# KiCad board Lime_RFE.kicad_pcb (continued)
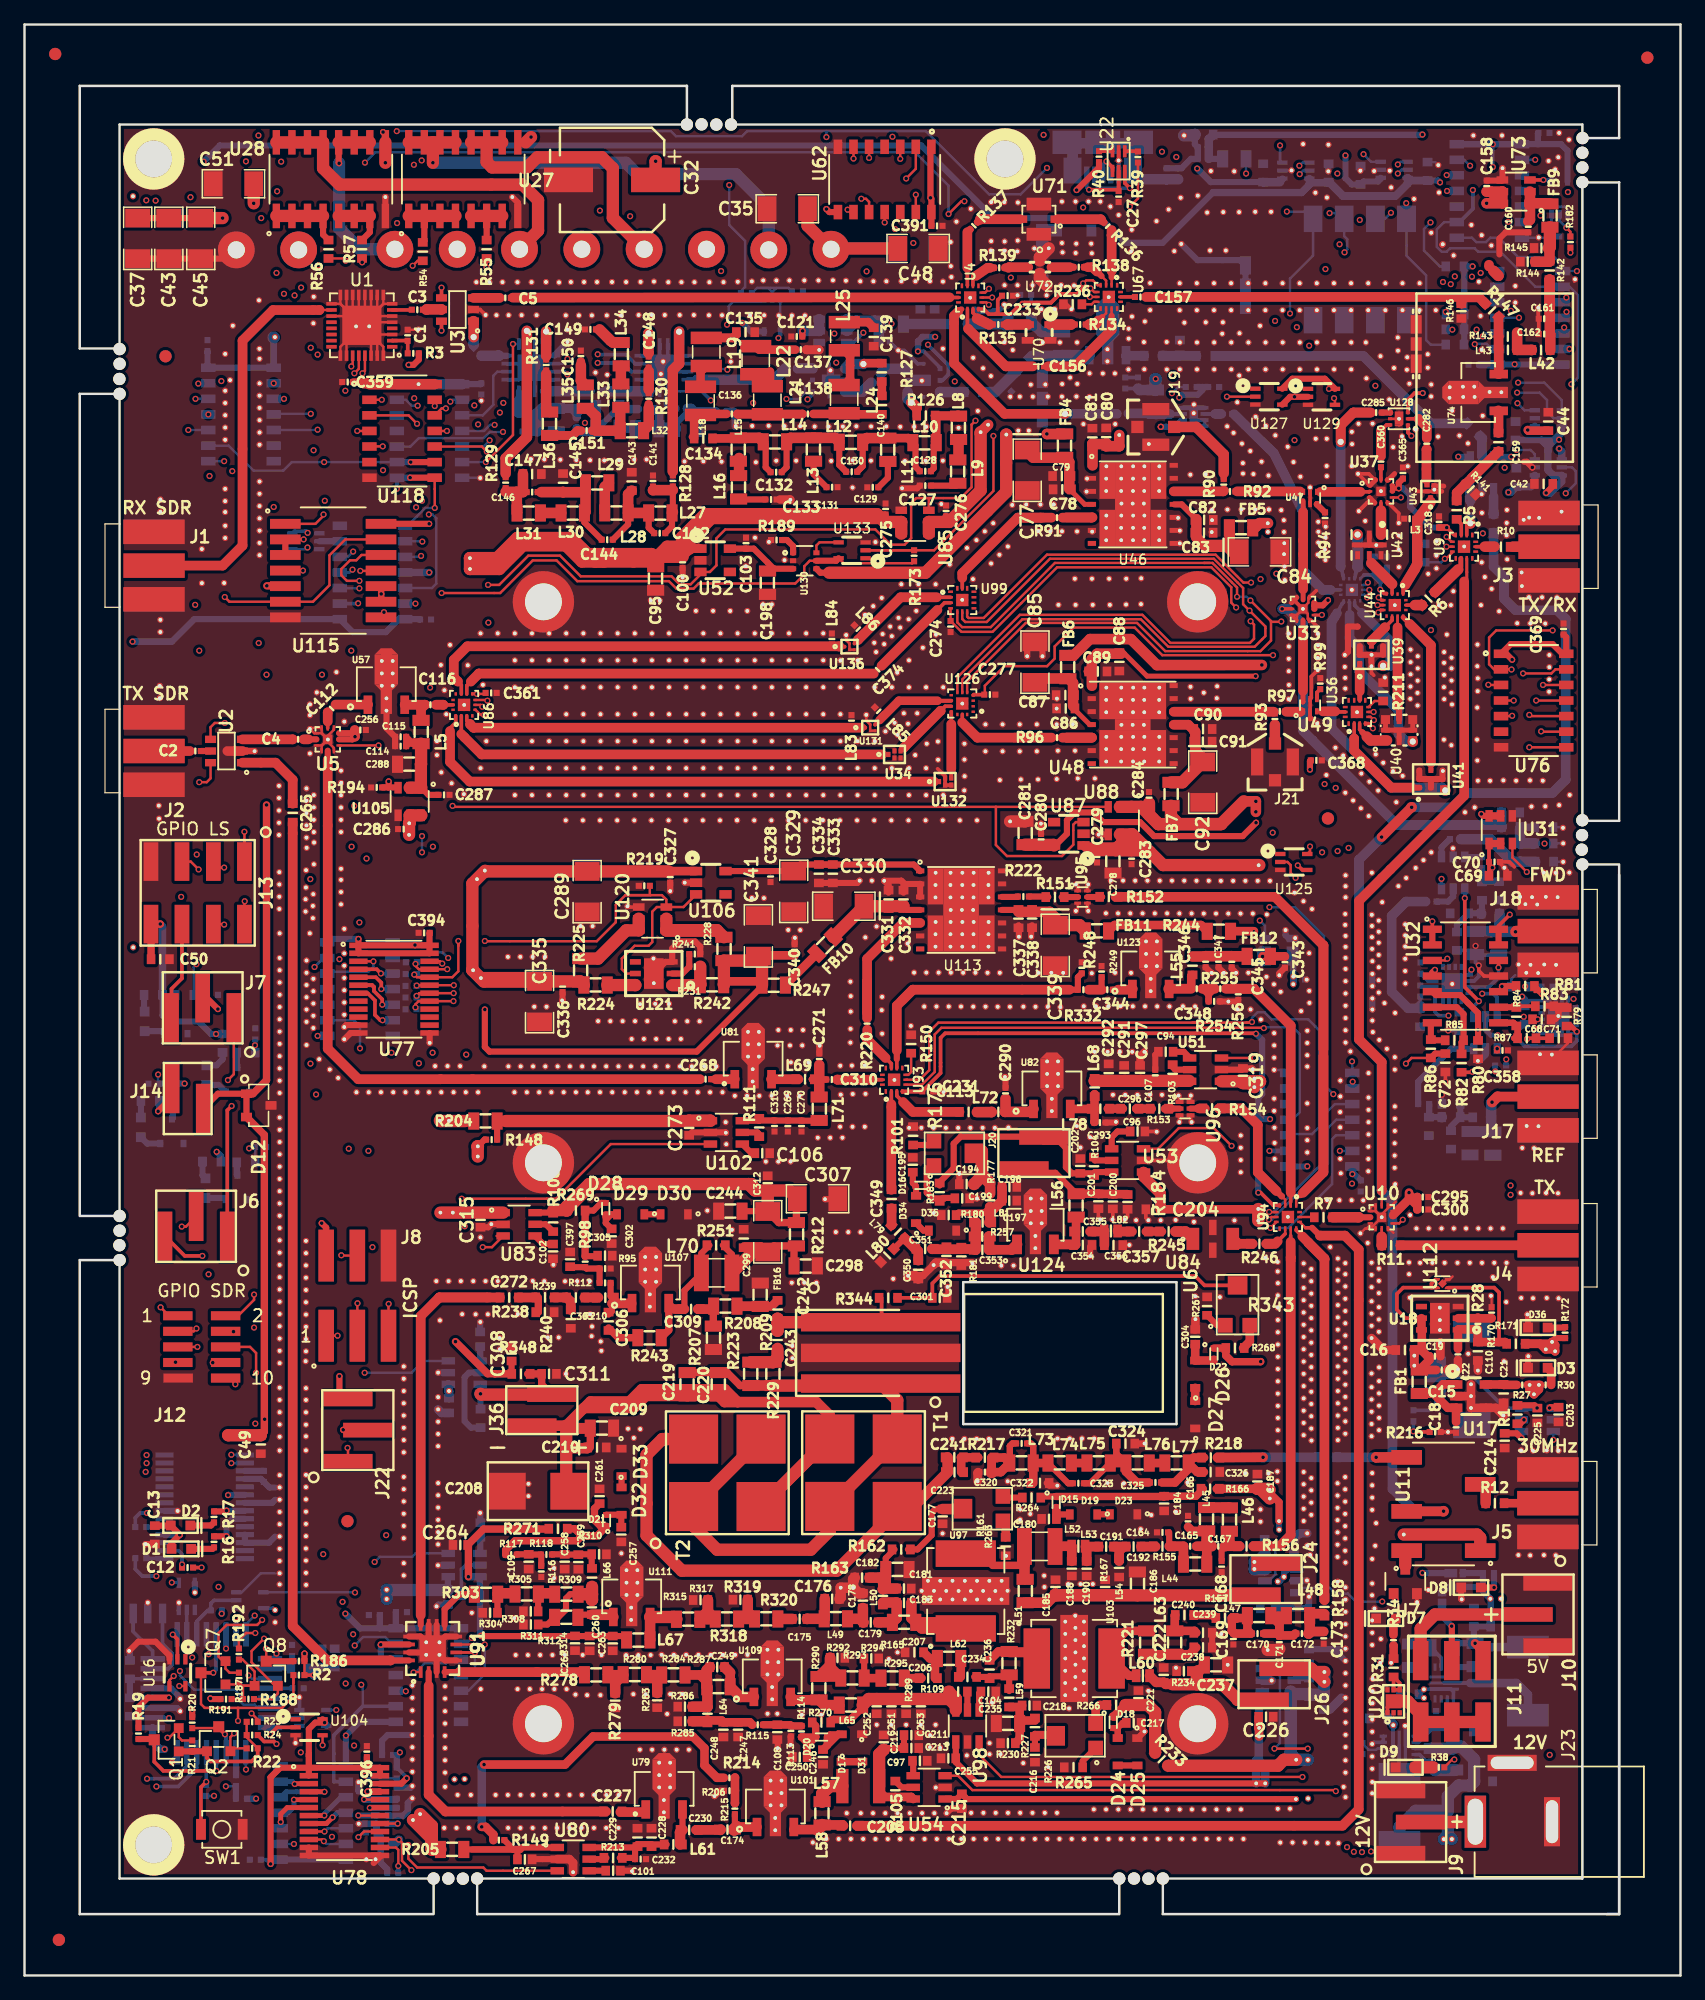
[diagram p0: board, top side]
## Routing (per net, layer and track width the routed paths; a pad name or vN(x,y) marks a point on that pad's centre or on a via; arc(x,y) is an arc through that point) (continued)
Net-(C250-Pad1): length 8.1
  T w0.6: R270.1 64.5,20.34 D20.1 ; D20.1 64.5,19.43 R114.2 ; D20.1 63.8,18.74 C250.1 ; R114.2 63.47,19.43 63.8,19.11 C250.1 ; R114.2 63.8,18.97 C250.1
Net-(C251-Pad2): length 24.9
  T w0.5: U98.6 75.02,22.53 C252.2
  T w0.6: 66.88,20.86 67.33,20.86 68.33,21.86 L65.1 ; 66.88,20.86 65.78,20.86 ; 66.88,20.86 65.96,20.86 R270.2
  T w0.86: C252.2 C251.2 R289.1 C253.1
  T w1: 75.92,22.53 75.67,22.53 75.92,22.53 ; 75.92,22.53 75.37,23.09 R109.2 ; 75.92,22.53 C252.2 68.83,22.53 L65.1 ; 75.92,22.53 U98.6
Net-(C257-Pad1): length 2.3
  T w0.5: D21.2 D32.2 48.65,37.53 C257.1
Net-(C258-Pad1): length 4.4
  T w0.5: R118.1 43.01,34.32 C258.1 44.06,34.3 C259.1 45.17,34.33 R310.2 46.24,33.2 L66.1
Net-(C260-Pad1): length 6.8
  T w0.1: U111.1 46.2,29.22 46.11,29.13
  T w0.5: U111.1 46.44,29.22 C260.1 45.33,29.4 R312.1
  T w0.86: C260.1 47.81,29.4 U111.1
Net-(C260-Pad2): length 8.2
  T w0.5: 45.78,31.07 R309.1 44.49,31.07 44.15,30.73 44.15,29.82 43.51,29.18 R312.2 42.63,28.6 R311.2
  T w1: L66.2 46.26,30.62 C260.2 ; 45.78,31.07 46.26,31.07 R309.1
Net-(C261-Pad1): length 13.6
  T w0.5: 39.21,34.28 R117.2
  T w0.6: C261.1 46.46,38.04 46.46,37.12 46.98,36.6 D21.1 46.67,35.82 45.43,35.82 ; 45.43,35.82 45.04,35.43 39.98,35.43 39.23,34.67 R117.2 ; 45.43,35.82 44.85,36.41 R271.1
Net-(C262-Pad2): length 31.4
  T w0.5: v1(37.21,27.69) 37.24,27.66 44.92,27.66 44.92,27.66 C262.2 C263.2 48.77,27.66 L67.1
  T w0.6: R271.2 42.71,36.38 41.92,36.38 ; 41.92,36.38 37.42,36.38 C264.1 36.19,35.03 v1(36.19,32.49) ; 41.92,36.38 39.62,36.38
  B w0.5: v1(37.21,27.69) 37.13,27.77 U100.6 37.12,32.48 R110.2
  B w0.6: v1(36.19,32.49) 36.19,32.5 U100.6
Net-(C265-Pad2): length 6.6
  T w0.79: U2.1 20.46,98.84 21.86,97.44 C265.2
Net-(C268-Pad2): length 1.9
  T w0.5: 56.36,73.04 56.36,73.05 C268.2
  T w0.79: U81.1 56.36,73.04
Net-(C269-Pad2): length 6.3
  T w0.5: L71.1 64.76,69.66 63.36,69.66 ; U102.6 59.89,69.66 59.89,69.66 59.92,69.68 C316.1 61.14,69.68 C269.2 C270.2
Net-(C271-Pad1): length 5.6
  T w0.5: 64.2,73.02 64.18,73.04 64.2,73.02 ; 64.2,73.02 C310.1 64.8,73.02 C271.1
  T w0.86: 64.82,71.64 64.79,71.68 64.79,74.2
Net-(C272-Pad1): length 2.6
  T w0.6: 41.88,54.06 41.89,54.06 41.89,55.26
  T w0.79: R239.1 41.68,55.25 C272.1
Net-(C282-Pad2): length 2.7
  T w0.3: U128.2 113.65,126.87
  T w0.79: 113.65,126.87 114.32,126.2 C282.2
Net-(C285-Pad1): length 0.7
  T w0.5: U128.4 111.32,127.38 C285.1
Net-(C290-Pad1): length 4.6
  T w0.5: C290.1 79.94,71.41 79.94,70.38
  T w0.86: U82.1 82.02,70.38 79.94,70.38 79.98,70.42 C290.1
Net-(C293-Pad1): length 4.3
  T w0.7: 87.23,70.64 87.23,71.81 87.24,71.82 ; 87.23,70.64 87.23,69.58 87.21,69.57 ; 87.23,70.64 87.21,70.62 U82.3
Net-(C294-Pad2): length 1.7
  B w0.79: U8.5 118.81,125.27
  B w0.86: 118.81,125.27 118.65,125.43
Net-(C296-Pad2): length 1.2
  T w0.7: 89.54,70.65 88.33,70.65 88.32,70.64
Net-(C298-Pad1): length 13
  T w0.5: 60.56,58.99 FB16.2 ; FB16.2 60.33,58.7 ; FB16.2 60.04,59.51 58.63,59.51 ; L70.1 57.67,58.77 56.93,59.51
  T w0.6: FB16.2 61.09,59.46 R212.1 62.73,59.26 C298.1
  T w1: FB16.2 59.37,58.96 L70.1
Net-(C301-Pad2): length 29.7
  T w0.3: 70.97,55.23 C301.2 74.01,56.4 74.61,57 95.44,57 96.2,56.24 R343.2
Net-(C302-Pad1): length 3.4
  T w0.5: 47.38,61.78 47.48,61.68 47.84,62.03 D29.2 48.28,62.02 D28.2 47.38,61.78 ; 47.38,61.78 47.38,61.32 C302.1
Net-(C303-Pad1): length 1.2
  T w0.6: 46.79,55.25 46.8,55.24
  T w0.79: 45.64,55.25 46.79,55.25
Net-(C303-Pad2): length 2.2
  T w0.79: R239.2 44.19,55.26 C303.2 44.53,54.91 R240.2
Net-(C304-Pad1): length 2.9
  T w0.7: D22.2 96.9,50.12 D26.2 C304.1
Net-(C305-Pad1): length 6.7
  T w0.5: C305.1 46.69,58.62 R98.2 ; R269.1 46.39,62.34 47.01,62.97 D28.1
  T w0.6: R98.2 45.7,58.63 R269.1
Net-(C306-Pad1): length 2.7
  T w0.6: 47.61,52.77 48.4,51.98 R243.1
Net-(C306-Pad2): length 6.2
  T w0.5: 47.89,55.24 47.78,55.35 R112.1 ; 47.89,55.24 48.33,54.8 U107.1 49.49,54.77 ; 47.89,55.24 47.89,54.14 47.61,53.86
  T w0.79: 47.89,54.77 49.49,54.77
Net-(C308-Pad1): length 88.5
  T w0.5: C308.1 39.71,49.05 R348.1 38.36,49.03
  T w0.6: R348.1 38.36,49.03 38.35,49.04 37.75,49.04 v1(35.13,51.66) ; D22.1 97.93,51.13 R268.2 97.93,50.53 ; 97.93,50.53 98.44,50.02 ; 97.93,50.53 98.44,50.02 ; 98.44,50.02 100.77,50.02 v1(100.78,50.03)
  SIG1 w0.6: v1(100.78,50.03) 100.77,50.02 98.44,50.02 96.4,52.07 96.4,56.37 95.6,57.17 75.11,57.17 72.97,55.02 54.12,55.02 52.22,53.12 49.55,53.12 47.62,55.05 45.17,55.05 43.08,52.97 38.16,52.97 36.85,51.66 v1(35.13,51.66)
Net-(C309-Pad2): length 9.8
  T w0.5: 53.01,54.31 U107.3 ; 54.67,56.7 53.8,55.82 53.8,54.31 ; 55.84,59.51 55.18,58.86 L70.2
  T w0.6: R243.2 52.52,52.59 U107.3
  T w0.79: 53.8,54.31 53.01,54.31
Net-(C311-Pad1): length 12.6
  T w0.5: J36.2 44.5,47.34
  T w0.6: J36.2 42.16,48.16 C311.1 41.02,49.03
  T w1: v1(37.17,47.4) 37.23,47.34 J36.2
  B w0.5: U56.6 37.15,47.42 v1(37.17,47.4) 37.18,47.4 R107.2
  B w1: v1(37.17,47.4) 37.15,47.42
Net-(C313-Pad2): length 2.4
  B w0.3: 119.75,120.16 119.76,120.17 U8.1
  B w0.79: 119.76,120.49 119.76,119.1
  B w0.86: 119.76,119.1 C313.2
Net-(C320-Pad1): length 11.8
  T w0.5: 78.84,42.21 78.84,42.21 ; 79.88,42.21 L73.2 ; L73.2 80.33,43.15 ; L73.2 80.33,43.15 ; 80.33,43.15 80.54,43.36 ; 80.33,43.15 80.54,43.36 ; 80.54,43.36 C321.2
  T w0.7: 79.88,42.21 L73.2 ; 79.88,42.21 L73.2 ; 79.88,42.21 78.84,42.21 ; L73.2 79.58,41.02 ; L73.2 79.58,41.02 ; 79.58,41.02 78.84,41.02 78.84,42.21 78.84,42.21 ; 78.84,42.21 78.84,41.02
  T w1: 78.84,41.02 78.84,41.02
Net-(C321-Pad1): length 9.5
  T w0.5: 85.09,40.11 L74.2 ; 85.09,40.11 85.37,40.11 ; 85.09,40.11 C323.2 ; 82.23,43.17 L73.1 82.23,43.17 ; 82.23,43.17 82.04,43.36 ; 82.23,43.17 82.04,43.36 ; 82.04,43.36 C321.1
  T w0.7: L74.2 L73.1 82.24,41.76 82.24,40.13
Net-(C323-Pad1): length 11.8
  T w0.5: 89.01,42.26 L75.1 ; 89.01,42.26 L75.1 ; 89.01,42.26 C324.1 89.01,42.54 L76.2 ; L75.1 86.87,40.11 ; 86.87,40.11 86.46,40.11 ; 86.87,40.11 C323.1
  T w0.7: 91.65,40.18 90.68,40.18 89.79,41.07 L76.2 L75.1
Net-(C325-Pad1): length 6.1
  T w0.7: L77.1 95.31,42.21 96.16,42.21 ; L77.1 95.6,41.03 96.15,41.03 ; L77.1 94.87,41.26 93.79,40.18 92.75,40.18
Net-(C330-Pad1): length 11.8
  T w0.5: 71.65,87.16 71.97,86.84 U113.4 ; 70.43,87.14 70.44,87.16 ; 65.94,84.64 C330.1
  T w1: 71.65,87.15 71.65,87.16 70.44,87.16 70.43,87.14 C330.1 65.94,84.64 FB10.2
Net-(C337-Pad1): length 10
  T w0.5: 81.03,86.68 80.87,86.84 U113.11 ; 84.04,86.22 84.03,86.21 83.56,86.68 82.14,86.68
  T w0.86: C339.1 84.03,86.24 83.58,86.68 82.14,86.68 82.13,86.68 81.03,86.68
  T w1: FB11.2 86,85.6 C339.1
Net-(C340-Pad1): length 112.2
  T w0.5: v1(37.53,78.72) 37.53,75.67 37.91,75.29 54.8,75.29 60.13,80.62 R247.1
  T w0.7: v2(100.23,85.11) 98.33,85.11 R244.1 ; 57.24,81.03 59.82,81.03 R247.1 60.2,80.79 ; 60.13,82.78 C341.1 59.9,83.14 C340.1 ; R242.2 57.02,80.77
  T w1: R242.2 57.02,80.77 R228.1 59.46,82.71 C341.1 60.13,82.78 R247.1
  SIG1 w0.5: v1(37.53,78.72) 37.53,79.61
  SIG1 w1: v1(37.53,78.72) 37.53,79.61 39.81,81.9 69.46,81.9 70.92,80.44 79.76,80.44 84.71,85.39 92.9,85.39 93.18,85.11 v2(100.23,85.11)
Net-(C343-Pad1): length 3.8
  T w0.7: C343.1 102.73,83.06 FB12.2 100.94,83.06 v1(100.93,83.05)
  B w0.7: v1(100.93,83.05) 100.86,83.12 100.86,83.53 100.86,82.58 100.93,82.65 v1(100.93,83.05)
Net-(C344-Pad1): length 1.7
  T w0.5: 89.15,80.34 89.15,80.31 89.12,80.34 C344.1
  T w0.79: 89.15,80.34 90.29,80.34 90.35,80.41
Net-(C344-Pad2): length 2.1
  T w0.5: C344.2 87.81,80.35 R249.1
  T w0.79: R332.1 C344.2
Net-(C345-Pad1): length 11.3
  T w0.3: 96.26,83.05 C346.2 98.41,83.07 98.42,83.06 FB12.1
  T w0.7: 96.26,83.05 C346.2 98.41,83.07 98.42,83.06 FB12.1
  T w0.86: FB12.1 99.66,83.06 C345.1 98.41,83.07 C347.2 C346.2 96.26,83.05 L55.1
Net-(C348-Pad1): length 4.9
  T w0.5: R255.2 96.53,79.92 R254.1 ; R254.1 96.53,79.9 C348.1 96.21,80.42 96.53,80.1 R254.1
  T w0.79: C348.1 R255.2
Net-(C348-Pad2): length 4.1
  T w0.3: C348.2 95.22,80.52 L55.2
  T w0.7: L55.2 95.12,81.44 C348.2
  T w0.79: 93.36,80.42 C348.2
  T w1: 93.35,80.41 93.36,80.42
Net-(C349-Pad1): length 1.4
  T w0.79: L79.2 70.69,61.16 C349.1
Net-(C350-Pad2): length 3.8
  T w0.5: L80.1 L79.1
  T w0.79: L79.1 72.6,59.22 C351.2 ; 72.86,59.03 C351.2 ; 72.86,59.03 C351.2 ; 72.86,59.03 C350.2
Net-(C351-Pad1): length 6.8
  T w0.5: 77.53,61.16 77.53,60.23
  T w0.79: 77.54,59.14 77.48,59.21 76.37,59.21 76.35,59.19 74,59.19 73.97,59.22
  T w0.86: 77.54,59.14 77.54,60.22 77.53,60.23 77.56,60.26 77.56,61.38
Net-(C353-Pad1): length 3.5
  T w0.79: 80.47,59.14 78.63,59.14
  T w0.86: 78.63,59.14 78.63,60.22 78.62,60.23 ; U124.1 80.47,59.14
Net-(C354-Pad1): length 4.2
  T w0.2: 85.73,61.8 L56.2
  T w0.5: 85.73,61.8 L56.2 ; 85.68,59.58 85.73,59.53
  T w0.7: L56.2 85.73,61.8 85.73,59.53 85.68,59.58
  T w0.79: U124.3 85.68,59.58
Net-(C355-Pad1): length 4.5
  T w0.7: 88.03,59.53 88.03,60.63 86.82,60.63
  T w0.79: C356.1 88.03,60.67 L82.2 87.98,60.63 C355.1
Net-(C357-Pad2): length 2.2
  T w0.7: 90.33,60.63 89.12,60.63
  T w0.79: L82.1 89.16,60.63 C357.2
Net-(C358-Pad2): length 0.1
  T w0.5: v1(120.05,75.53) 120.04,75.52 C358.2
Net-(C360-Pad1): length 3
  T w0.3: 110.58,125.92 111.04,126.37 U128.6
  T w0.79: C360.1 110.58,125.92
Net-(C374-Pad1): length 68.6
  T w0.3: 68.19,106.09 37.03,106.09 36.06,105.12 U86.9 ; 68.19,106.09 69.38,106.09 ; 68.19,106.09 69.22,106.09 C374.1
  T w0.79: 37.04,106.1 37.03,106.09 ; 37.04,106.1 36.38,105.45 ; 37.04,106.1 C374.1
Net-(C374-Pad2): length 11.8
  T w0.3: 70.15,106.74 71.53,108.12 71.53,108.14 70.14,106.74 70.02,106.74 ; 74.42,111.29 75,111.87 U99.3
  T w0.79: 74.42,111.29 C374.2
Net-(C397-Pad1): length 3.6
  T w0.5: C397.1 44.52,57.72 R98.1 45.81,57.61 R95.1 R112.2
Net-(CON1-Pad2): length 5.3
  T w0.3: v1(90.11,145.66) 89.7,146.08 U22.6
  B w0.3: CON1.2 87.25,146.01 87.6,145.66 v1(90.11,145.66)
Net-(CON1-Pad3): length 2.2
  T w0.3: v1(88.21,147.85) 88.7,147.36 U22.4
  B w0.3: v1(88.21,147.85) 87.9,147.54 CON1.3
Net-(D1-Pad2): length 1.9
  T w0.5: R16.1 15.33,34.77 D1.2
Net-(D2-Pad2): length 2
  T w0.5: R17.1 15.2,36.67 D2.2
Net-(D3-Pad1): length 1.5
  T w0.7: D3.1 124.46,49.24 R30.1
Net-(D7-Pad1): length 1.4
  T w0.7: R34.2 111.6,28.9 D7.1
Net-(D8-Pad1): length 2.3
  T w0.5: D8.1 v1(119.8,31.62)
  B w0.5: v1(119.8,31.62) 119.8,31.63 R35.2
Net-(D9-Pad1): length 1.5
  T w1: D9.1 R38.1
Net-(D10-Pad1): length 1.4
  B w0.5: D10.1 9.49,69.93 R48.1
Net-(D10-Pad2): length 1.8
  B w0.5: D10.2 10,67.8 Q3.3
Net-(D11-Pad1): length 1.4
  B w0.5: D11.1 9.75,78.61 R49.1
Net-(D11-Pad2): length 1.7
  B w0.5: Q4.3 11.19,76.96 D11.2
Net-(D13-Pad1): length 2.1
  B w0.5: R52.1 16.15,74.67 15.65,74.18 D13.1
Net-(D13-Pad2): length 1.8
  B w0.5: Q5.3 15.82,72.58 D13.2
Net-(D14-Pad1): length 1.5
  B w0.5: D14.1 14.51,65.21 R53.1
Net-(D14-Pad2): length 1.7
  B w0.5: Q6.3 16.27,63.37 D14.2
Net-(D17-Pad1): length 1.7
  T w0.5: 68.28,17.42 D31.2
  T w0.6: D31.2 68.28,17.42 D17.1
Net-(D19-Pad1): length 1
  T w0.5: D23.2 87.46,37.58 D19.1
Net-(D24-Pad1): length 1.6
  T w0.5: D24.1 D25.2
Net-(D26-Pad1): length 1.1
  T w0.7: D27.2 D26.1
Net-(D29-Pad1): length 1.3
  T w0.5: D29.1 D30.2
Net-(D32-Pad1): length 0.9
  T w0.5: D32.1 D33.2
Net-(D34-Pad1): length 1.4
  T w0.5: 72.73,61.37 D34.1 73.29,60.71 D35.2
Net-(D36-Pad1): length 1.4
  T w0.5: R172.2 125.55,52.8 D36.1
Net-(FB8-Pad1): length 6.1
  B w0.2: R121.2 75.4,134.58 R123.2 R122.2
  B w0.86: FB8.1 71.67,134.59 R121.2
Net-(FB9-Pad1): length 4
  T w0.86: 124.34,142.47 FB9.1 ; R145.2 124.33,140.72 R142.2 124.29,139.67 R144.2
  T w1: R145.2 124.35,140.87 FB9.1
Net-(IC1-Pad9): length 21.9
  T w0.2: v1(126.55,76.92) 126.55,76.92 ; 125.51,77.42 125.84,77.42 ; v1(117.96,81.97) 117.96,81.98
  T w0.3: 125.84,77.42 126.05,77.42
  T w0.4: R79.2 125.77,77.42 126.05,77.42 v1(126.55,76.92)
  SIG1 w0.3: v1(122.23,78.13) 122.23,78.02 122.23,78.02 119.23,81.02 118.91,81.02 v1(117.96,81.97)
  B w0.2: v1(126.55,76.92) 126.41,76.78 IC2.9 ; 126.55,76.17 126.1,75.73 122.53,75.73 ; v1(117.96,81.97) 117.79,81.8 IC1.9 ; v1(122.23,78.13) 122.29,78.07 R78.1
  B w0.3: 123.31,75.73 126.1,75.73 126.55,76.17 v1(126.55,76.92) ; 123.31,75.73 122.53,75.73 ; 123.31,75.73 122.3,75.73 121.85,76.18 121.85,77.08 R78.1
Net-(IC1-Pad11): length 4.6
  T w0.3: v1(120.17,82.14) 120.17,82.15 U32.12
  B w0.3: v1(120.17,82.14) 120.17,81.35 119.36,80.55 IC1.11 IC1.12
Net-(IC2-Pad11): length 17.8
  T w0.2: v1(115.99,82.87) 115.85,82.72 U32.3
  SIG1 w0.2: 115.6,82.48 v1(115.99,82.87)
  SIG1 w0.3: v1(115.99,82.87) 115.6,82.48 115.6,79.92 116.85,78.67 120.87,78.67 121.93,77.62 122.65,77.62 v1(123.1,77.17)
  SIG1 w0.4: 116.85,78.67 115.6,79.92
  B w0.2: 123.49,76.78 v1(123.1,77.17) ; IC2.12 IC2.11
  B w0.3: v1(123.1,77.17) 123.49,76.78 IC2.12
Net-(J1-Pad1): length 32.8
  T w0.2: U1.18 24.05,135.74
  T w0.79: 24.05,135.74 24.04,135.73 20.26,135.73 17.77,133.24 17.77,116.53 16.15,114.91 10.62,114.91
Net-(J3-Pad1): length 2.9
  T w0.86: J3.1 121.33,116.44
Net-(J4-Pad1): length 11.3
  T w0.79: R11.1 123.47,59.51
Net-(J5-Pad1): length 3.6
  T w0.7: R12.1 J5.1
Net-(J6-Pad2): length 48
  T w0.2: v1(12.82,61.03) 13.16,61.03 J6.2
  SIG2 w0.2: v1(12.67,24.81) 12.67,28.47 11.91,29.23 11.91,30.81 12.67,31.57 12.67,32.53 12.36,32.84 12.36,34.51 13.12,35.28 13.12,48.23 12.82,48.53 v1(12.82,61.03)
  B w0.2: v1(12.67,24.81) 12.67,24.46 13.84,23.29 17.14,23.29 17.59,22.83 17.59,22.32 17.85,22.07 18.76,22.07 19.03,21.8 U12.22
Net-(J7-Pad2): length 59.4
  T w0.5: v1(15.77,78.76) 14.86,79.66 J7.2
  SIG2 w0.2: v1(18.26,24.46) 18.26,43.3 16.12,45.44 16.12,65.22 16.82,65.92 16.82,68.04 16.12,68.74 16.12,77.44 15.77,77.8 v1(15.77,78.76)
  B w0.2: v1(18.26,24.46) 18.52,24.19 U12.19
Net-(J10-Pad2): length 11.8
  T w1: J11.5 113.82,28.26 114.98,29.42 J10.2
Net-(J11-Pad2): length 9.5
  T w0.3: U20.1 111.11,21.84 U20.1
  T w1: U20.1 112.77,22.34 113.82,21.3 J11.6 J11.4 J11.2
Net-(J17-Pad1): length 9.1
  T w0.79: 124.15,71.63 120.09,71.63
  T w0.86: 120.09,71.63 v1(119.64,71.17)
  B w0.86: v1(119.64,71.17) 119.57,71.1 R67.1 119.57,68.89 R62.1 119.68,68.78 R64.1
Net-(J18-Pad1): length 7.3
  T w0.86: v1(121.55,85.06) 121.61,85.11 124.06,85.11
  B w0.86: R63.1 120.15,85.1 R66.1 ; R63.1 120.25,85.13 R69.1 ; R63.1 121.54,85.07 v1(121.55,85.06)
Net-(J19-Pad1): length 11.9
  T w0.5: 97.76,123.96 95.52,126.2 J19.1 ; R90.1 97.76,122.44
  T w0.86: J19.1 95.52,126.2 97.76,123.96 97.76,122.44
Net-(J21-Pad1): length 1.5
  T w0.86: 101.94,100.47 101.93,100.48 101.93,101.92
Net-(L1-Pad2): length 11.9
  B w0.3: 121.62,23.83 122.56,22.89 L1.2 ; U19.2 117.86,23.83
  B w0.7: L1.2 122.56,22.89 121.62,23.83 117.86,23.83
Net-(L2-Pad2): length 2.4
  B w0.3: L2.2 112.07,16.42 U21.2
Net-(L3-Pad1): length 12.1
  T w0.3: 112.55,113.34 112.39,113.18 112.39,112.64
  T w0.4: 113.54,118.62 113.54,115.03 ; U43.1 114.62,120.09
  T w0.86: 112.55,113.34 113.32,114.6 113.54,115.03 113.54,118.62 114.62,120.09
Net-(L6-Pad2): length 2.8
  B w0.86: L7.1 82.9,133.94 L6.2
Net-(L8-Pad2): length 1.4
  T w0.86: L8.2 76.14,123.78
Net-(L15-Pad2): length 1.5
  T w0.86: L16.1 58.25,122.28 58.25,123.67
Net-(L18-Pad2): length 1.9
  T w0.7: L19.1 55.11,130.7 L18.2
Net-(L21-Pad2): length 2.5
  T w0.7: L21.2 59.61,130.48 L22.1 ; 60.77,130.72 60.77,129.55
Net-(L24-Pad2): length 3.2
  T w0.7: L25.1 67.3,131.98 67.3,130.1 L24.2
Net-(L28-Pad1): length 2.6
  T w0.86: L29.2 47.3,121.32 L28.1
Net-(L30-Pad1): length 1.7
  T w0.86: L30.1 L31.2
Net-(L33-Pad2): length 1.5
  T w0.86: L34.1 48.61,131.15 L33.2
Net-(L36-Pad1): length 3.5
  T w0.5: 42.52,130.5 42.53,130.51 R131.1
  T w0.86: L36.1 42.52,127.7 42.52,130.5
Net-(L38-Pad1): length 4.3
  B w0.5: 48.47,125.67 48.85,126.06 L38.1 ; L38.1 49.71,125.95 48.47,125.95 ; L38.1 49.76,126.11 L39.2
Net-(L42-Pad2): length 2.6
  T w0.86: L42.2 122.87,132.48 L43.1 121.68,133.89
Net-(L43-Pad2): length 4.7
  T w0.2: 120.18,130.51 U74.3
  T w0.79: U74.3 120.18,130.51 L43.2 120.17,132.5 R143.1 120.17,133.58 R147.2
Net-(L45-Pad1): length 1.9
  T w0.86: L46.2 98.2,38.13 L45.1
Net-(L51-Pad2): length 7.9
  T w0.6: 81.52,33.42 78.94,33.42 77.98,34.38 U97.2
  T w0.86: L51.2 81.52,32.34 L52.2
Net-(L57-Pad2): length 2.8
  T w1: 65.02,14.38 L58.1 65.02,14.81 65.65,15.43 L57.2
Net-(L60-Pad2): length 7
  T w0.7: R221.2 89.82,28.08 88.62,26.88 U103.2 90.02,24.43 L60.2
Net-(L65-Pad2): length 4.2
  T w0.79: R290.2 62.7,22.46
  T w0.86: 62.7,22.46 U109.3 ; R290.2 65.2,22.03 L65.2
Net-(L67-Pad2): length 4.1
  T w0.86: L67.2 51,27.36 U111.3
  T w1: U111.3 52.96,29.22 R315.2
Net-(L69-Pad2): length 2.2
  T w0.79: 63.08,73.04 60.9,73.04
  T w0.86: 60.9,73.04 U81.3
Net-(L74-Pad1): length 1.3
  T w0.7: L74.1 L75.2
Net-(L76-Pad1): length 1.3
  T w0.7: L76.1 L77.2
Net-(L83-Pad2): length 65.8
  T w0.3: 36.33,102 36.06,102.27 U86.3 ; 36.64,101.69 68.54,101.69 U131.1 68.42,101.82 L83.2
  T w0.79: 36.33,102 36.33,101.96 36.6,101.69 68.17,101.69
Net-(L84-Pad2): length 69.8
  T w0.3: 35.32,105.46 35.61,105.17 U86.10 ; 34.99,105.79 34.99,107.22 36.09,108.32 65.89,108.32 65.91,108.3 U136.1 65.99,108.3 L84.2
  T w0.79: 66.43,108.3 66.43,108.33 36.1,108.33 34.99,107.22 34.99,105.79 35.01,105.79 35.32,105.47 35.32,105.46
Net-(L85-Pad2): length 12.1
  T w0.3: 71.28,103.89 U131.4 69.96,102.56 L85.2 ; 73.7,103.99 73.8,103.89 U126.9 74.43,103.89
  T w0.7: 69.72,102.32 71.28,103.89 74.43,103.89
Net-(L86-Pad2): length 10.5
  T w0.2: 67.95,108.85 U136.4
  T w0.3: U136.4 68.29,109.19 L86.2 ; U99.2 74.37,112.32
  T w0.79: 67.95,108.85 67.95,108.85 71.43,112.32 74.37,112.32
Net-(P1-Pad3): length 3
  B w0.3: P1.3 115.05,46.6 114.51,46.06 R235.1
Net-(Q1-PadG): length 10.4
  T w0.2: R22.2 18.11,19.41 R24.2 R23.2
  T w0.3: Q2.G 14.88,17.72 15.16,17.45 18.51,17.45 19.01,17.95 R22.2
  T w0.5: Q1.G 13.66,18.26 R21.2 13.69,18.27 Q2.G
Net-(Q3-Pad1): length 1.5
  B w0.5: Q3.1 12.08,69.87 R46.1
Net-(Q4-Pad1): length 1.2
  B w0.5: R47.1 12.34,79.87 Q4.1
Net-(Q5-Pad1): length 1.2
  B w0.5: Q5.1 17.3,74.05 R50.1
Net-(Q6-Pad1): length 1.1
  B w0.5: Q6.1 17.3,65.28 R51.1